# Altium PCB OBC.PcbDoc (part 1 of 3)
Units mm, origin at the board's own origin, x right, y up, seen from the top; angles counter-clockwise.
Board outline 90.1 x 95.9 mm, 4 copper layers (Top Layer, GND, VCC, Bottom Layer), stack 1.536 mm thick; 98 components, 128 nets, 651 pads, 791 vias.
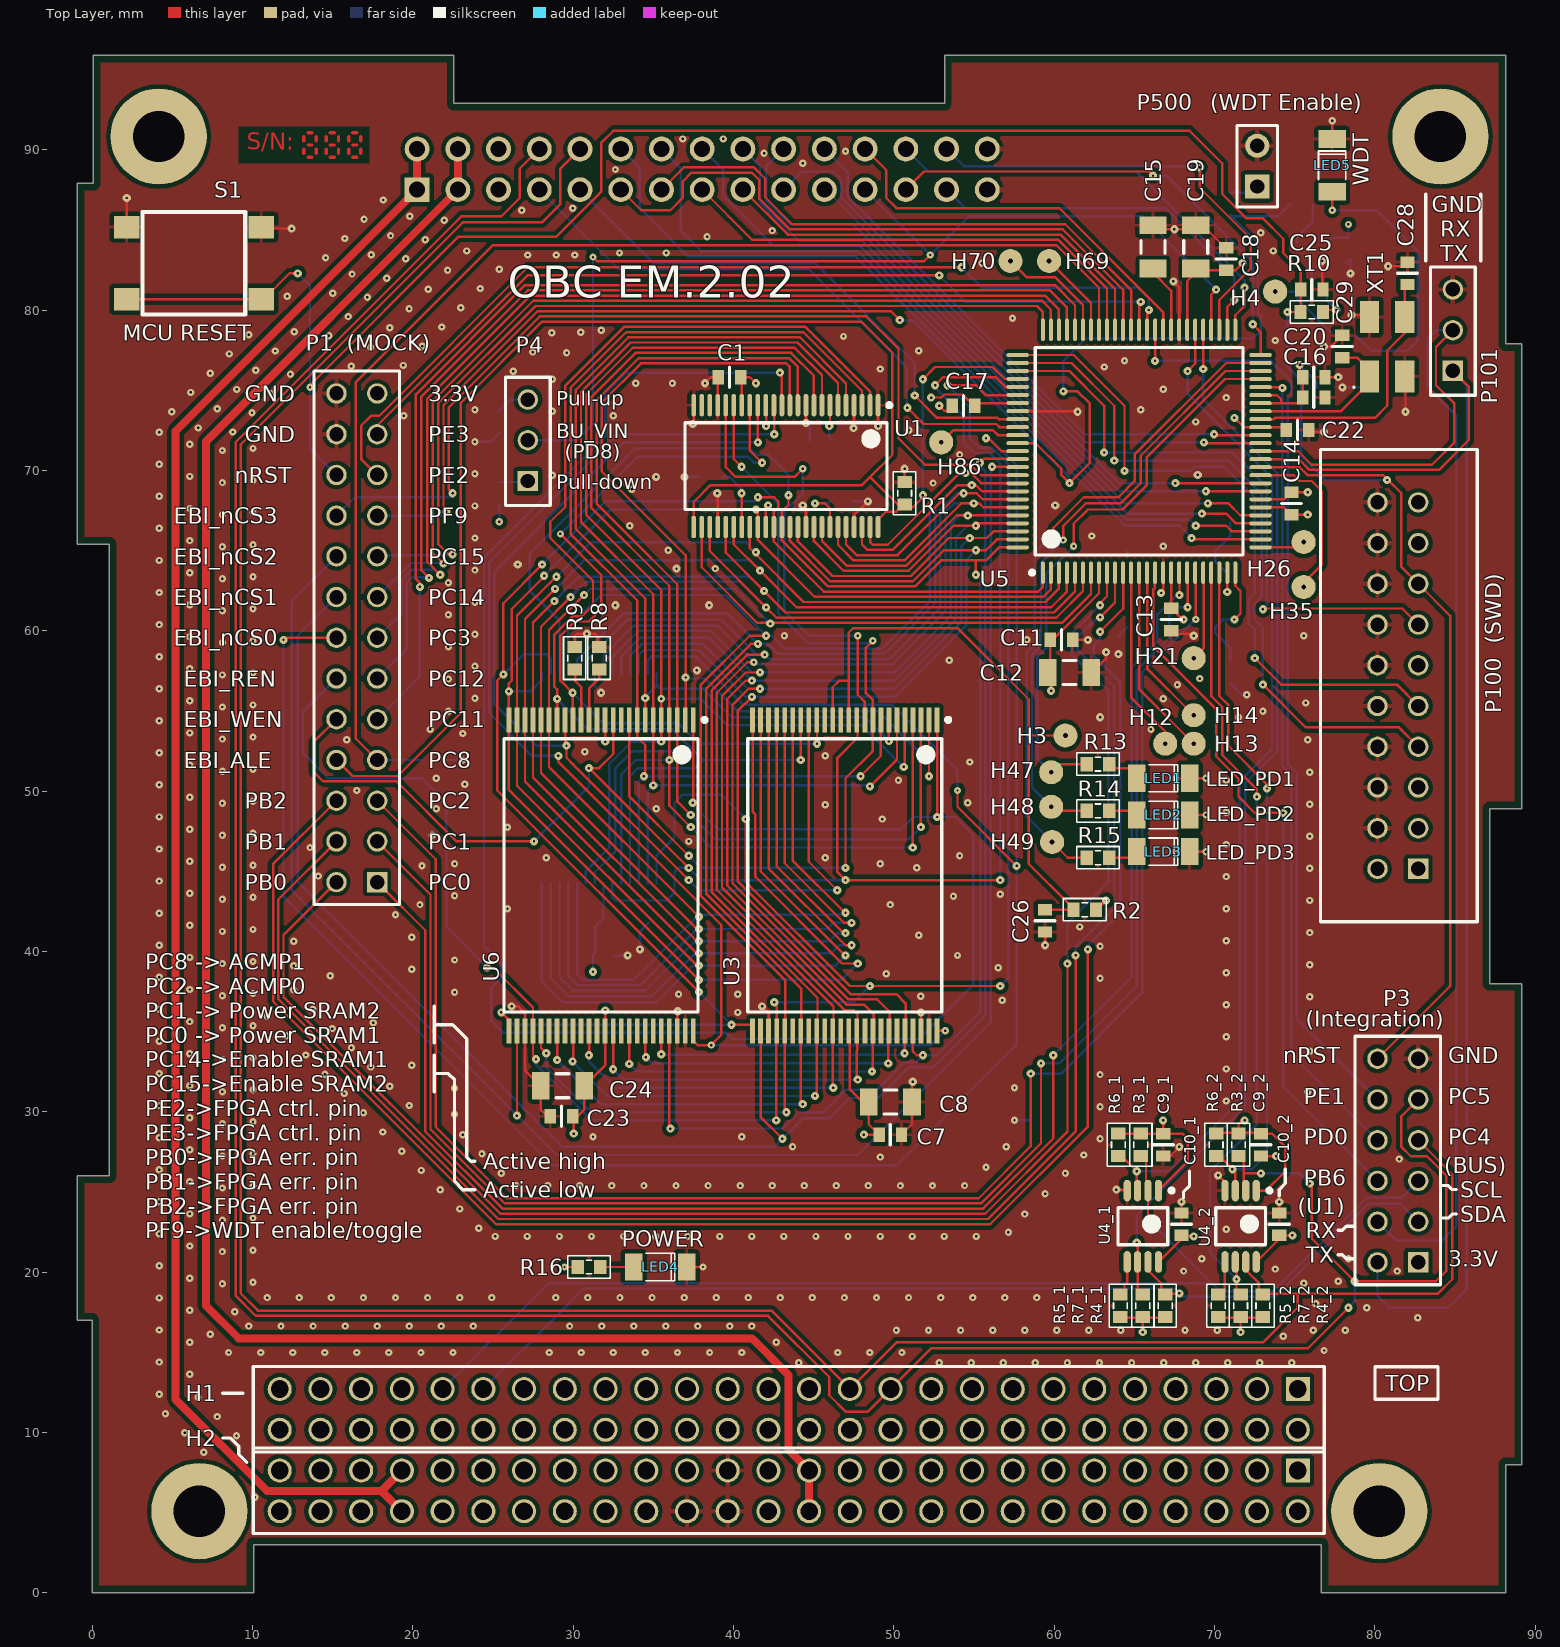
[diagram p0: Top Layer view]
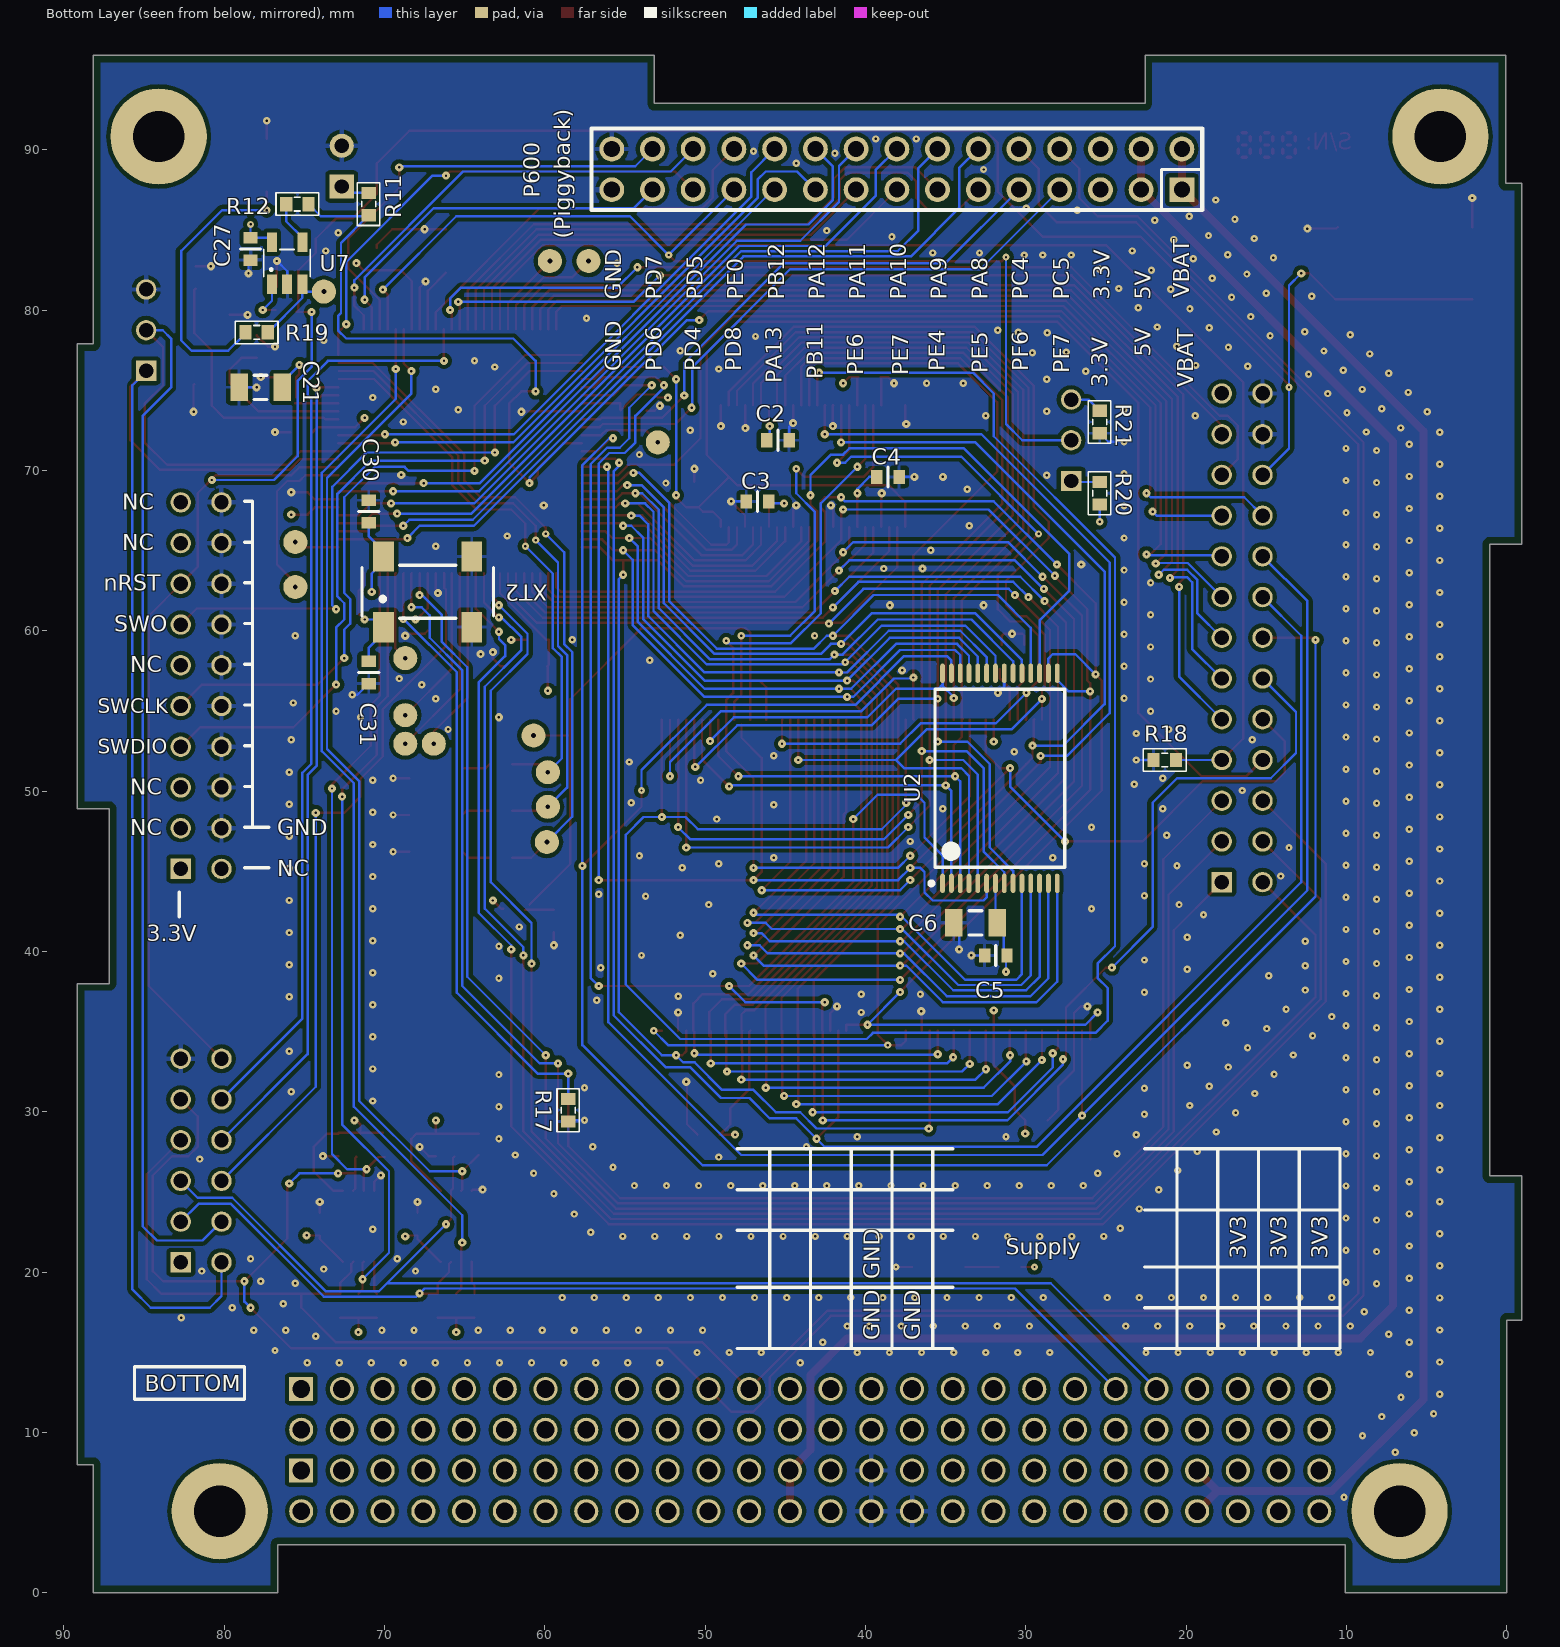
[diagram p1: Bottom Layer view, seen from below]
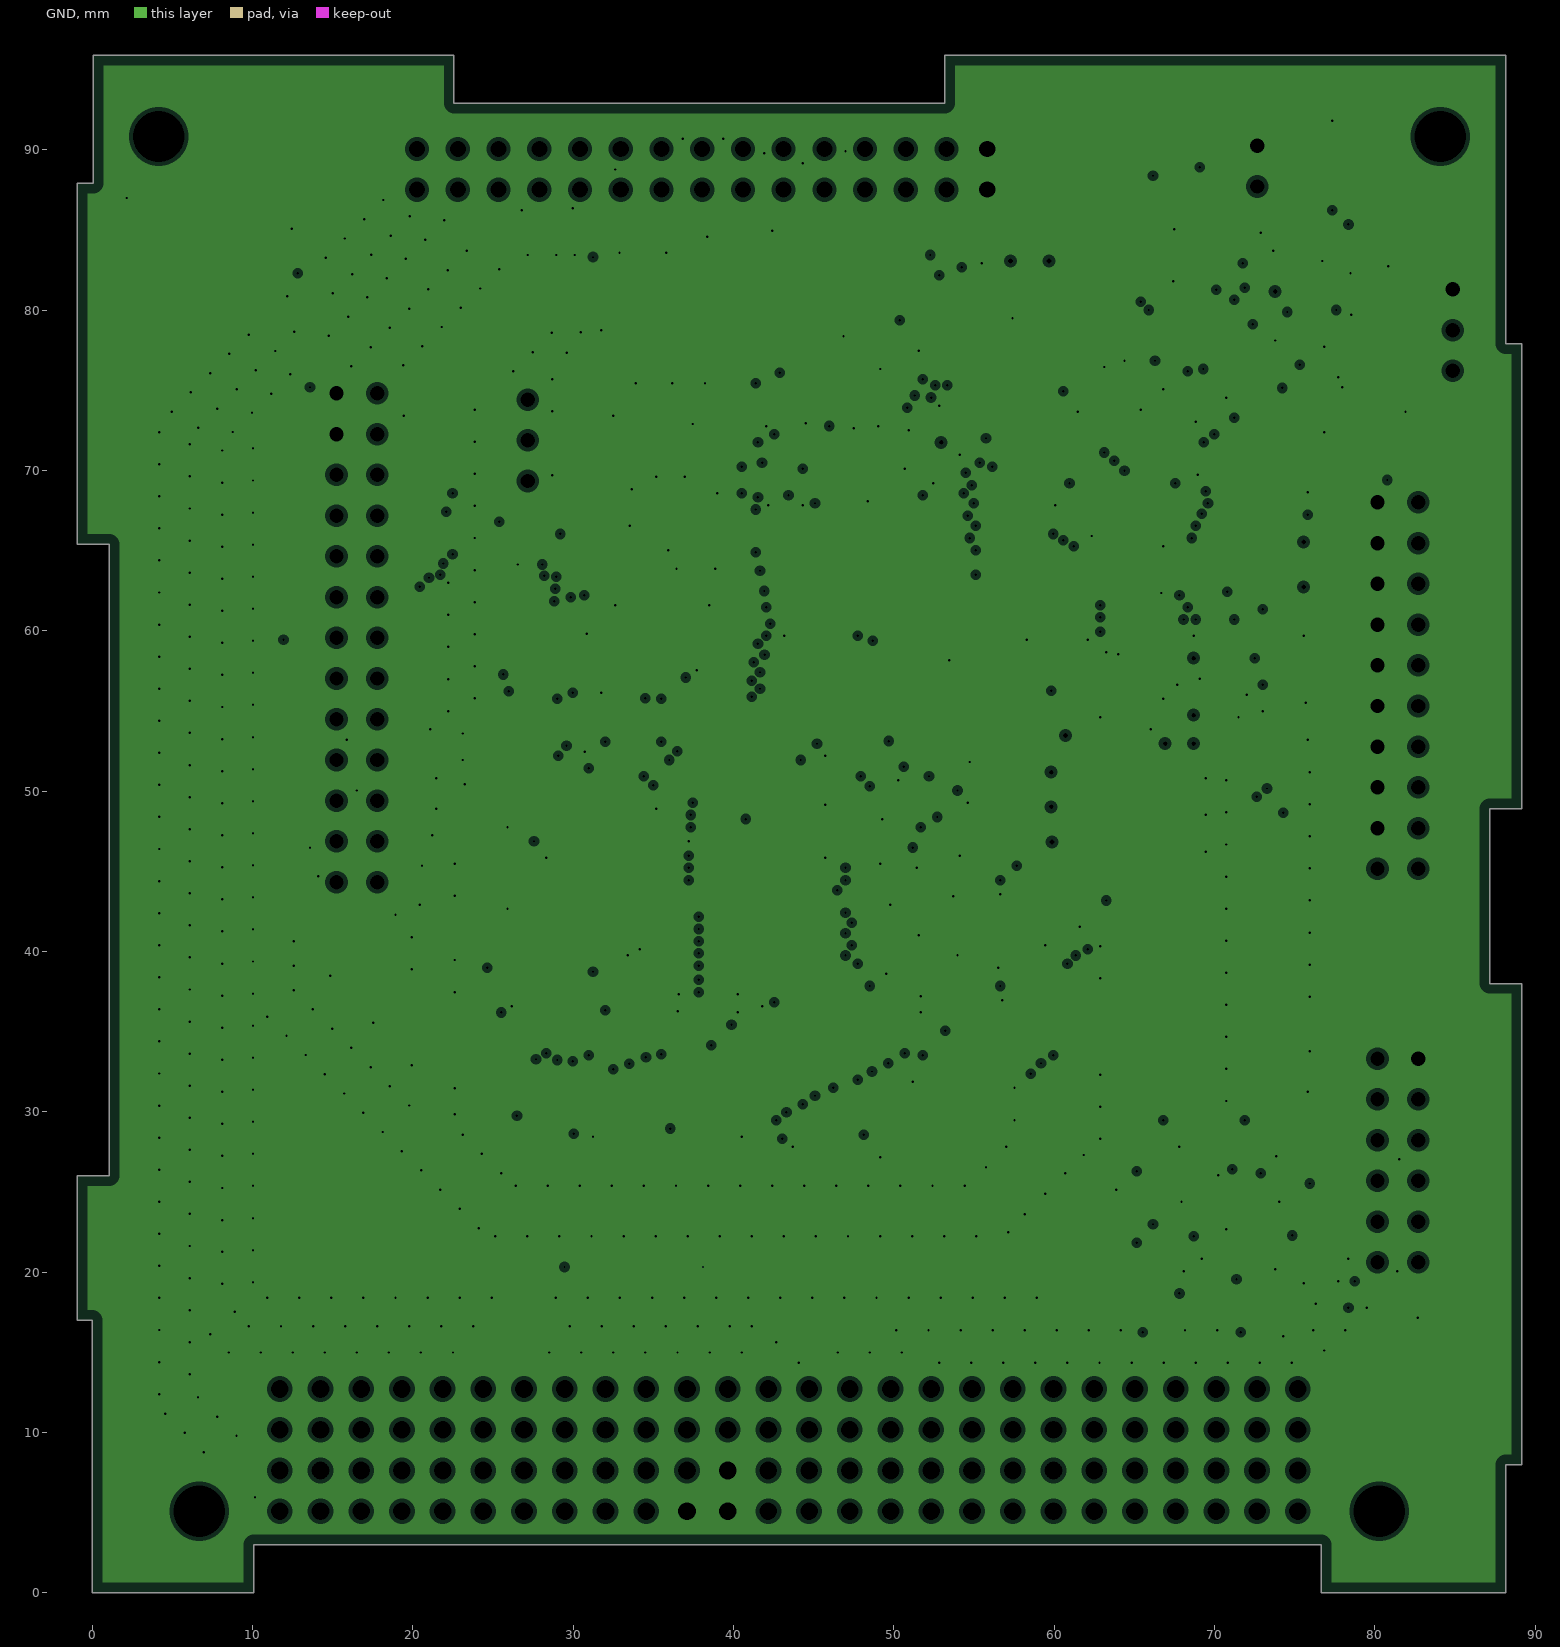
[diagram p2: GND, clearances drawn from the general rule]
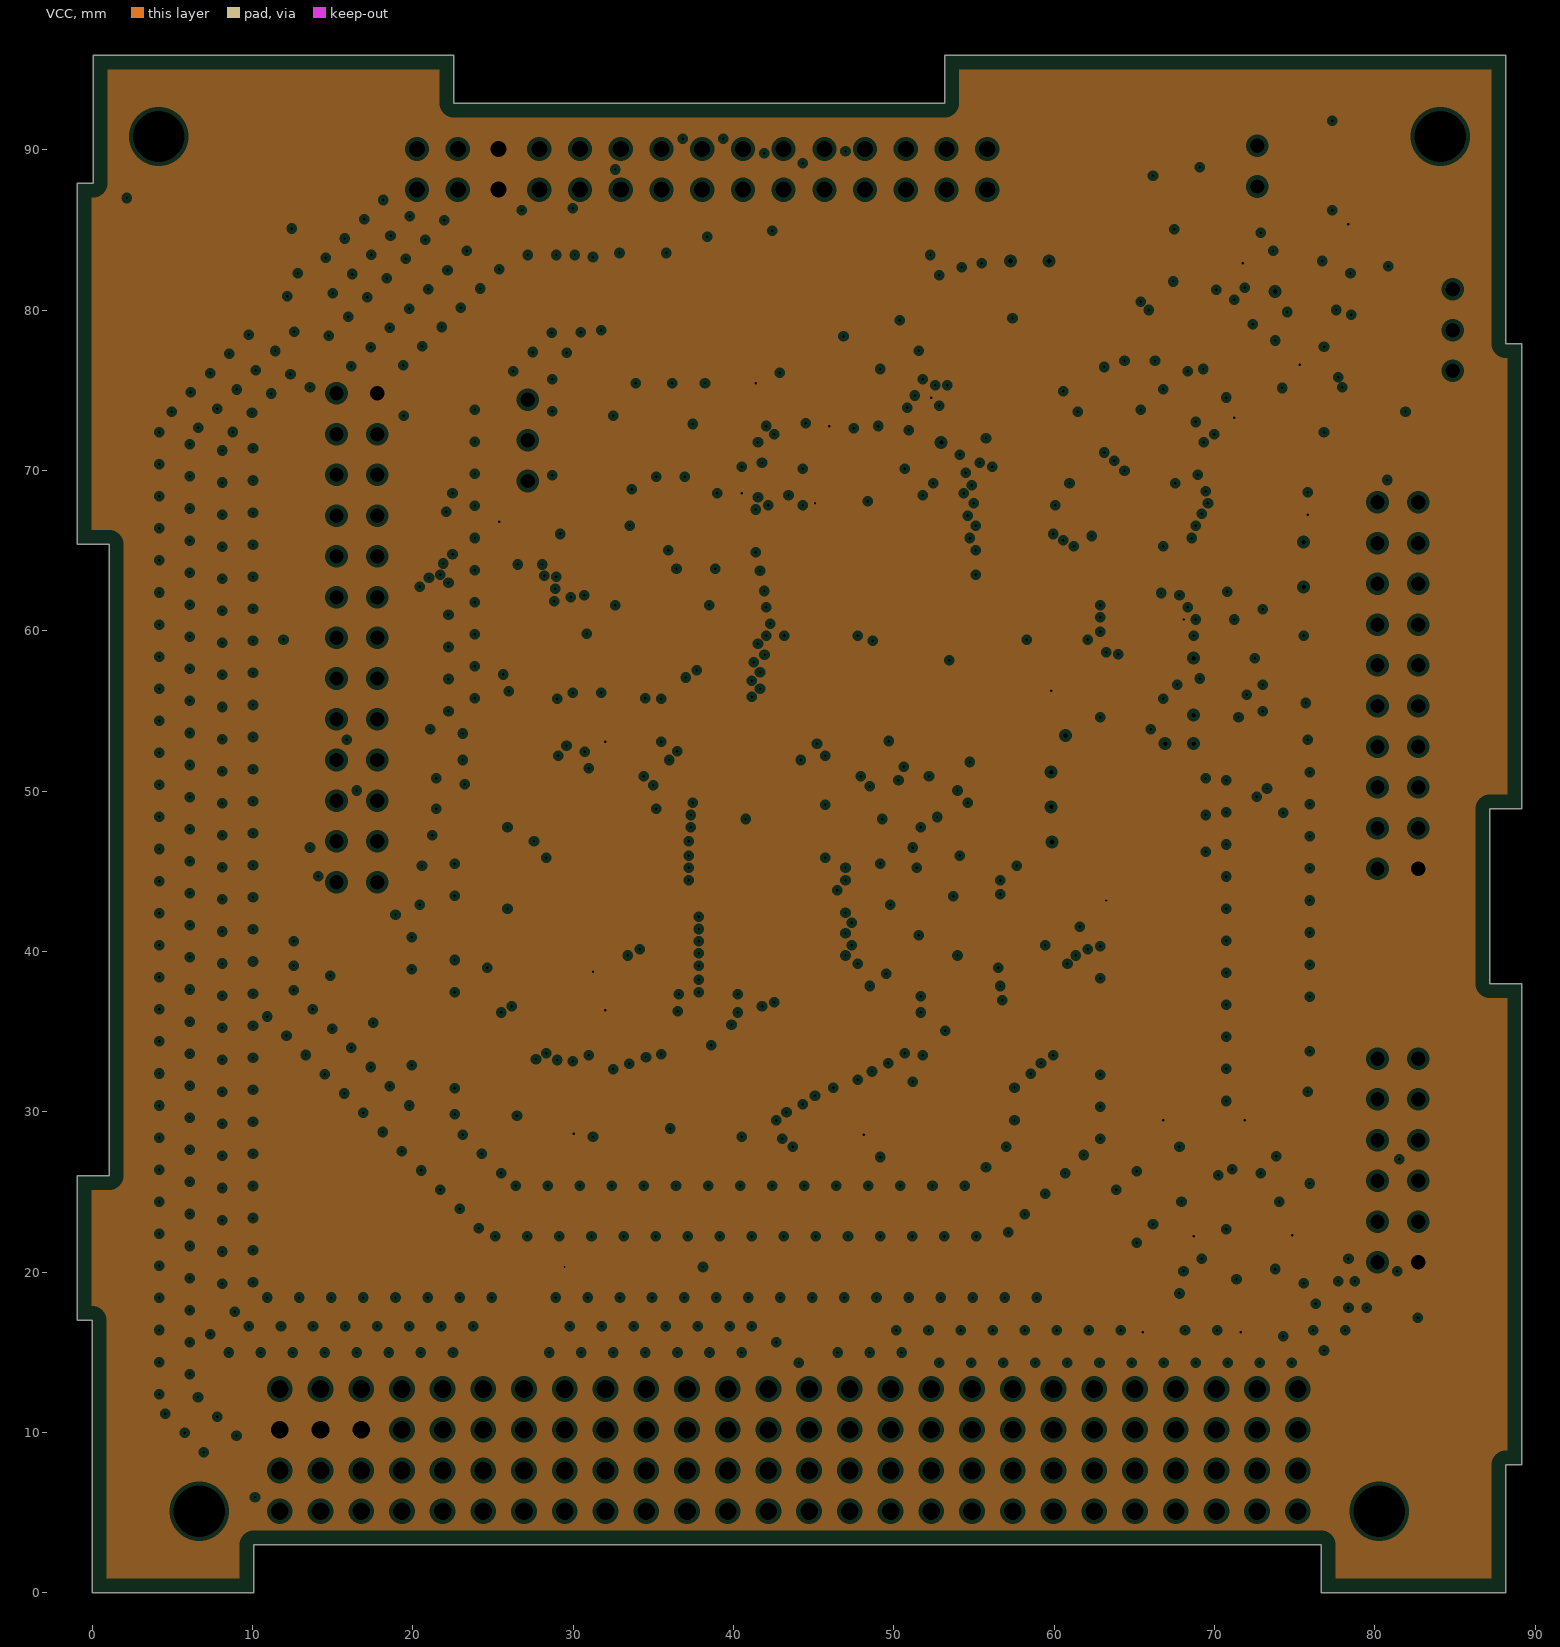
[diagram p3: VCC, clearances drawn from the general rule]

## Layer stack, top to bottom
Top Solder: solder mask 0.018, Solder Resist, Dk 3.5
Top Layer: signal copper 0.018
Dielectric 1: prepreg 0.36, FR-4, Dk 4.2
GND: plane copper 0.035, net GND
Dielectric 3: core 0.71, FR-4, Dk 4.2
VCC: plane copper 0.035, net 3V3D
Dielectric 2: prepreg 0.36, FR-4, Dk 4.2
Bottom Layer: signal copper 0.018
Bottom Solder: solder mask 0.018, Solder Resist, Dk 3.5

## Board outline
0.07,87.9 -0.93,87.9 -0.93,65.4 1.07,65.4 1.07,26 -0.93,26 -0.93,17 0,17 0,0 10.07,0 10.07,3 76.67,3 76.67,0 76.68,0.01 88.17,0.01 88.17,8 89.17,8 89.17,38 87.17,38 87.17,48.9 89.17,48.9 89.17,77.9 88.17,77.9 88.17,95.9 53.17,95.9 53.17,92.9 22.57,92.9 22.57,95.9 0.07,95.9

## Design rules (kind name [scope] priority, off if disabled: settings)
AcuteAngle [All] p1: minimum=3.00000000000000E+0001 checktracksonly=FALSE
BoardOutlineClearance [(OnLayer('Top Layer')  or     OnLayer('Bottom Layer')    ) and not InComponent('MK*')] p1: gap=0.45 ignorepadtopadclearanceinfootprint=FALSE
Clearance Clearance_coop2copp [IsTrack vs Ispad] p1: gap=0.15 ignorepadtopadclearanceinfootprint=FALSE except(0: Arc-Hole Track-Hole SMDPad-Hole THPad-Hole Via-Hole Fill-Hole Poly-Hole Region-Hole Text-Hole)
Clearance Clearance_Via2Pad_Same [isvia vs ispad and not ( InComponent('U*') or InComponent('IC*') )] p2: gap=-0.051 ignorepadtopadclearanceinfootprint=FALSE except(0: Arc-Hole Track-Hole SMDPad-Hole THPad-Hole Via-Hole Fill-Hole Poly-Hole Region-Hole Text-Hole)
Clearance Clearance_Via2Pad [isvia vs ispad] p3: gap=0.15 ignorepadtopadclearanceinfootprint=FALSE except(0: Arc-Hole Track-Hole SMDPad-Hole THPad-Hole Via-Hole Fill-Hole Poly-Hole Region-Hole Text-Hole)
Clearance Clearance_Poly2Diff [InPoly vs (InDifferentialPairClass('All Differential Pairs'))] p4: gap=0.711 ignorepadtopadclearanceinfootprint=FALSE except(0: Arc-Hole Track-Hole SMDPad-Hole THPad-Hole Via-Hole Fill-Hole Poly-Hole Region-Hole Text-Hole)
Clearance Clearance_Poly2SHLD [InPoly vs InNet('SHLD')] p5: gap=0.762 ignorepadtopadclearanceinfootprint=FALSE except(0: Arc-Hole Track-Hole SMDPad-Hole THPad-Hole Via-Hole Fill-Hole Poly-Hole Region-Hole Text-Hole)
Clearance Clearance_Poly_SHLD2Oth [InPoly and InNet('SHLD') vs Not InNet('SHLD')] p6: gap=0.762 ignorepadtopadclearanceinfootprint=FALSE except(0: Arc-Hole Track-Hole SMDPad-Hole THPad-Hole Via-Hole Fill-Hole Poly-Hole Region-Hole Text-Hole)
Clearance Clearance_Poly2KeepOut [InPoly vs OnLayer('Keep-Out Layer')] p7: gap=0.25 ignorepadtopadclearanceinfootprint=FALSE except(0: Arc-Hole Track-Hole SMDPad-Hole THPad-Hole Via-Hole Fill-Hole Poly-Hole Region-Hole Text-Hole)
Clearance Clearance_Poly248 [InPoly vs InNet('+48V')] p8: gap=0.635 ignorepadtopadclearanceinfootprint=FALSE except(0: Arc-Hole Track-Hole SMDPad-Hole THPad-Hole Via-Hole Fill-Hole Poly-Hole Region-Hole Text-Hole)
Clearance Clearance_All2KeepOut [All vs OnLayer('Keep-Out Layer')] p9: gap=0.3 ignorepadtopadclearanceinfootprint=FALSE except(0: Arc-Hole Track-Hole SMDPad-Hole THPad-Hole Via-Hole Fill-Hole Poly-Hole Region-Hole Text-Hole)
Clearance Clearance_PolyI2Hole [InPoly vs IsPad and (Net='No Net')] p10: gap=0.25 ignorepadtopadclearanceinfootprint=FALSE except(0: Arc-Hole Track-Hole SMDPad-Hole THPad-Hole Via-Hole Fill-Hole Poly-Hole Region-Hole Text-Hole)
Clearance Clearance_PolyOutsideLayer [InPoly and ((Layer='Top Layer') or (Layer='Bottom Layer'))] p11: gap=0.25 ignorepadtopadclearanceinfootprint=FALSE except(0: Arc-Hole Track-Hole SMDPad-Hole THPad-Hole Via-Hole Fill-Hole Poly-Hole Region-Hole Text-Hole)
Clearance [All] p12: gap=0.175 ignorepadtopadclearanceinfootprint=FALSE except(0: Arc-Hole Track-Hole SMDPad-Hole THPad-Hole Via-Hole Fill-Hole Poly-Hole Region-Hole Text-Hole)
ComponentClearance [All] p1 off: gap=0.254 collisioncheckmode=3 verticalgap=0.254 showdistances=FALSE
DiffPairsRouting [All] p1: maxlimit=0.178 minlimit=0.178 mostfreqgap=0.178 toplayer_minwidth=0.279 toplayer_maxwidth=0.279 toplayer_prefwidth=0.279 bottomlayer_minwidth=0.279 bottomlayer_maxwidth=0.279 bottomlayer_prefwidth=0.279 maxuncoupledlength=12.7
Height [All] p1: minheight=0 maxheight=50.8 prefheight=12.7
HoleSize [All] p1: absolutevalues=TRUE maxlimit=12.7 minlimit=0.15 maxpercent=80.000 minpercent=20.000
HoleToHoleClearance [All] p1: gap=0.152 allowstackedmicrovias=TRUE
Length [All] p1: maxlimit=200 minlimit=0
MinimumAnnularRing MinimumAnnularRing_InnerLayer [OnLayer('Internal Plane 1') or OnLayer('Internal Plane 2')] p1: minimumring=0.125
MinimumAnnularRing [All] p2: minimumring=0.125
MinimumSolderMaskSliver [All] p1 off: minsoldermaskwidth=0.152
MinimumSolderMaskSliver SilkscreenOverComponentPads [All] p2 off: minsoldermaskwidth=0.254
PlaneClearance PlaneClearance_Shld [InNet('SHLD')] p1: clearance=0.635
PlaneClearance [All] p2: clearance=0.254
PlaneConnect PlaneConnect_Via [(IsVia)] p1: planeconnectstyle=Direct reliefexpansion=0.508 reliefentries=4 reliefconductorwidth=0.254 reliefairgap=0.254
PlaneConnect PlaneConnect_SHLD [InComponent('CN1') or InComponent('CN9')] p2: planeconnectstyle=NoConnect reliefexpansion=0.254 reliefentries=4 reliefconductorwidth=0.254 reliefairgap=0.254
PlaneConnect [All] p3: planeconnectstyle=Relief reliefexpansion=0.254 reliefentries=4 reliefconductorwidth=0.254 reliefairgap=0.254
PolygonConnect PolygonConnect_SHLD_Big [InNet('SHLD') vs (PadYSize_AllLayers > AsMils(150)) and (PadXSize_AllLayers > AsMils(150))] p1: connectstyle=Relief reliefconductorwidth=0.508 reliefentries=4 polygonreliefangle="90 Angle" airgapwidth=0.381
PolygonConnect PolygonConnect_Via [(IsVia)] p2: connectstyle=Direct reliefconductorwidth=0.254 reliefentries=4 polygonreliefangle="90 Angle" airgapwidth=0.254
PolygonConnect PolygonConnect_SHLD [InNet('SHLD')] p3: connectstyle=Relief reliefconductorwidth=0.381 reliefentries=4 polygonreliefangle="90 Angle" airgapwidth=0.305
PolygonConnect PolygonConnect_PAD [OnLayer('Multi-Layer') and (IsPad) and (InNet('GND'))] p4: connectstyle=Relief reliefconductorwidth=0.305 reliefentries=4 polygonreliefangle="90 Angle" airgapwidth=0.254
PolygonConnect PolygonConnect_1 [(PadYSize_AllLayers > AsMils(30)) and (PadXSize_AllLayers > AsMils(30))] p5: connectstyle=Relief reliefconductorwidth=0.381 reliefentries=4 polygonreliefangle="90 Angle" airgapwidth=0.254
PolygonConnect [All] p6: connectstyle=Relief reliefconductorwidth=0.203 reliefentries=4 polygonreliefangle="90 Angle" airgapwidth=0.254
RoomDefinition SRAM [InComponentClass('SRAM')] p1: confinementstyle=ConfineIn formatcopy=TRUE lockcomponents=FALSE outline 23.368,28.829 39.243,28.829 39.243,60.579 23.368,60.579
RoomDefinition Piggyback [InComponentClass('Piggyback')] p2: confinementstyle=ConfineIn formatcopy=TRUE lockcomponents=FALSE outline 17.78,83.439 59.817,83.439 59.817,93.599 17.78,93.599
RoomDefinition "PC-104 Stack Connector" [InComponentClass('PC-104 Stack Connector')] p3: confinementstyle=ConfineIn formatcopy=TRUE lockcomponents=FALSE outline 9.906,2.413 77.47,2.413 77.47,14.986 9.906,14.986
RoomDefinition OBC_Connectors [InComponentClass('OBC_Connectors')] p4: confinementstyle=ConfineIn formatcopy=TRUE lockcomponents=FALSE outline 9.525,17.272 88.9,17.272 88.9,92.456 9.525,92.456